# Altium PCB Calipso V3.0 REV0.0.PcbDoc (part 3 of 4)
Units mm, origin at the board's own origin, x right, y up, seen from the top; angles counter-clockwise.
Board outline 192.5 x 156.5 mm, 4 copper layers (Component Side, Ground Plane, Power Plane, Solder Side), stack 0.844 mm thick; 384 components, 292 nets, 1388 pads, 365 vias.
Unrouted connection lines stored in the file: 28.
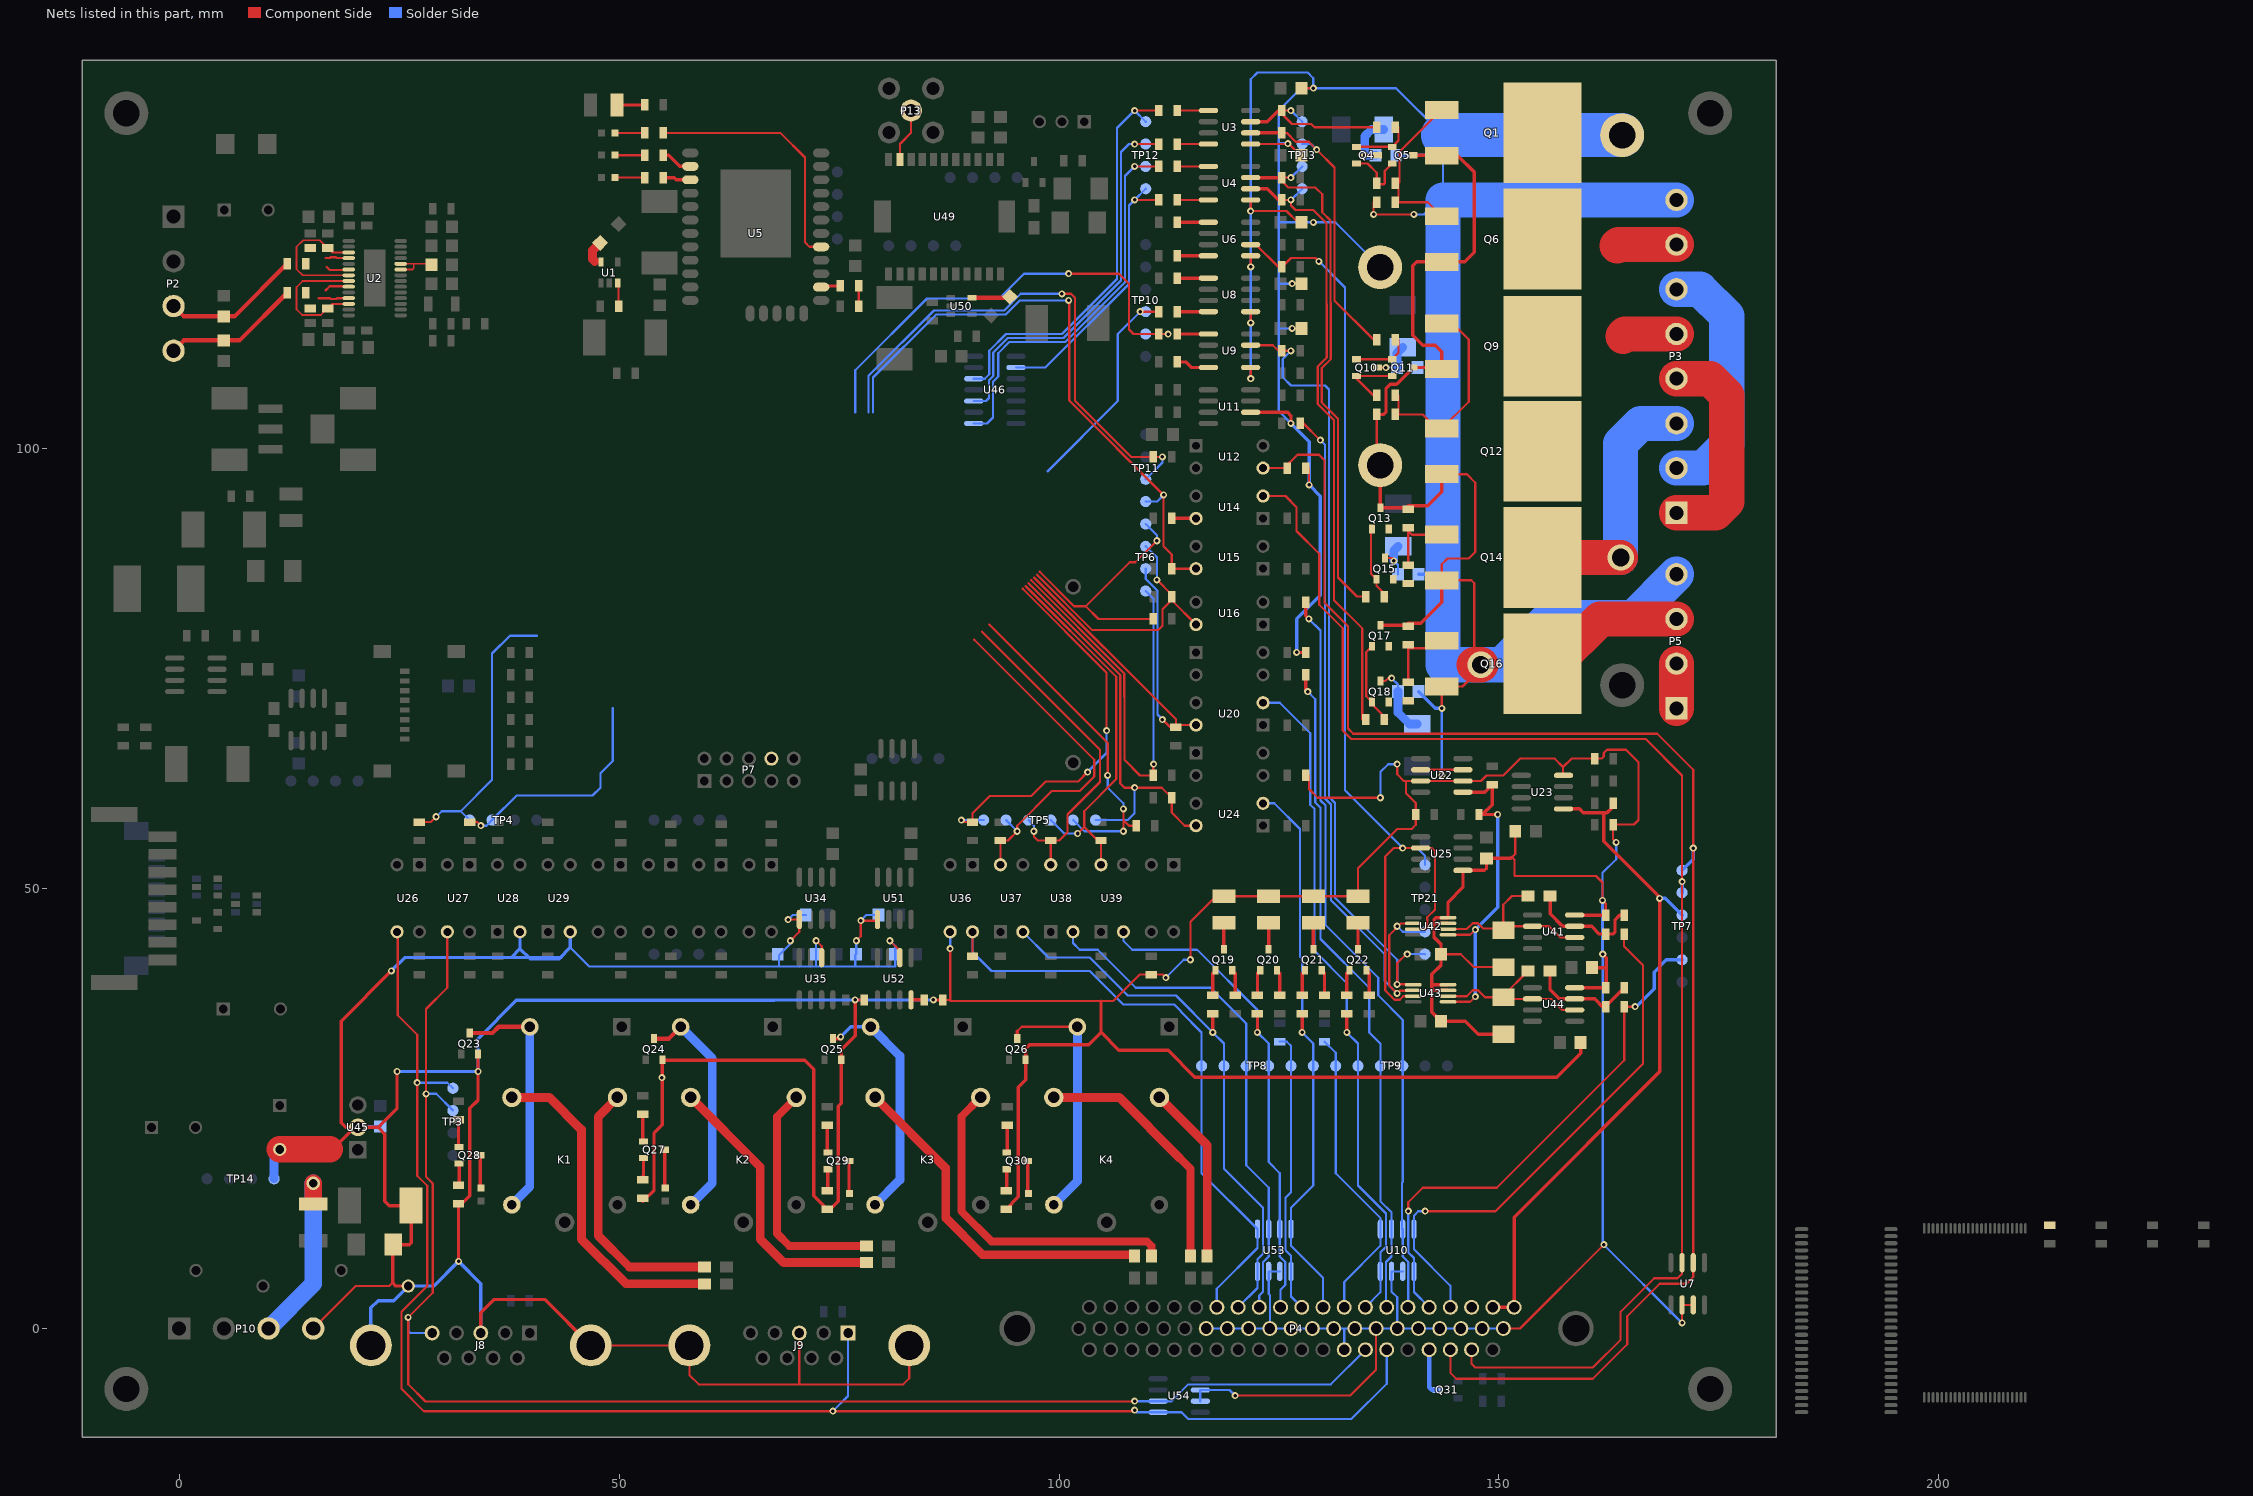
[diagram p5: the nets of this part, all layers, seen from the top]

## Via types
v1: diameter 0.8, hole 0.4, Component Side to Solder Side, tented both sides, 349 vias
v2: diameter 0.8, hole 0.4, Component Side to Solder Side, 12 vias
v3: diameter 1.5, hole 1, Component Side to Solder Side, 2 vias
v4: diameter 3, hole 2, Component Side to Solder Side, 2 vias

## Nets (pads, with @x,y where several pads share a name; then routed paths per layer and width w, separated by ;. In a path a pad name is that pad's centre, name@x,y a point inside that pad or via, vN(x,y) a via of type N, cw(c..) or ccw(c..) an arc to the next point about the centre after c; other vN are vias at no path point) (continued)
IGND: C1.2 C7.2 C8.2 C11.2 C14.2 C29.1 C30.1 C31.1 C32.1 C33.2 C35.2 C36.2 C37.2 C38.2 C40.2 C41.2 C42.1 C43.1 C53.1 C61.1 C62.1 C73.1 C74.1 C75.1 D13.2 D14.2 D20.2 J8.3 J8.10 J8.11 J9.3 J9.10 J9.11 LED3.1 LED4.1 LED5.1 LED6.1 P3.8 P4.28 P4.29 P4.30 P4.31 P4.32 P4.33 P4.34 P4.35 P4.36 P4.37 P4.38 P4.39 P4.40 P4.41 P4.42 P4.55 P5.4 P10.4 pad.H@136.5,98.13 pad.H@136.5,120.63 pad.H@164,135.63 Q1.3 Q5.2 Q6.3 Q9.3 Q11.2 Q12.3 Q13.2 Q14.3 Q16.3 Q17.2 Q23.2 Q24.2 Q25.2 Q26.2 R12.2 R18.1 R36.1 R39.1 R42.1 R50.2 R53.1 R59.2 R76.1 R81.1 R85.1 R101.2 R104.2 R120.1 R121.2 R135.1 R136.1 R137.1 R138.1 RU2.1 TP14.1 U3.5 U4.5 U6.5 U7.6 U7.7 U8.5 U9.5 U10.6 U10.7 U11.2 U22.2 U22.3 U22.6 U22.7 U23.4 U25.5 U28.2 U29.2 U34.5 U35.2 U36.3 U41.4 U42.3 U42.4 U43.3 U43.4 U44.4 U45.2 U51.5 U52.2 U53.6 U53.7 U54.6 U54.7 | length 1384
  Component Side w0.254: P10.4@15.24,0 20.066,4.826 23.876,4.826 24.257,5.207 ; J8.10@46.785,-1.93 J9.11@57.99,-1.93 57.99,-5.285 59.055,-6.35 70.485,-6.35 ; v1(69.215,46.482) 69.228,46.495 U34.5@70.486,46.495 70.486,45.085 v1(69.47,44.069) ; J9.3@70.485,-0.51 70.485,-6.35 ; v1(72.391,44.069) 73.026,43.434 U35.2@73.026,42.151 ; v1(76.962,44.069) 77.47,44.577 v1(77.47,46.355) 79.235,46.355 U51.5@79.375,46.495 ; v1(80.772,44.069) 81.915,42.926 U52.2@81.915,42.151 ; J9.10@82.98,-1.93 82.98,-5.666 82.296,-6.35 70.485,-6.35 ; R12.2@86.775,37.338 87.503,37.338 87.63,37.211 ; v1(87.63,43.18) 87.63,37.211 ; v1(112.141,39.878) 111.794,40.225 R120.1@110.49,40.225 109.186,40.225 106.172,37.211 104.775,37.211 87.63,37.211 ; v1(114.935,41.91) 114.935,46.228 117.832,49.125 LED3.1@118.745,49.125 LED4.1@123.825,49.125 LED5.1@128.905,49.125 LED6.1@133.985,49.125 133.985,52.324 138.43,56.769 140.081,56.769 140.555,57.243 R85.1@140.555,58.42 140.555,59.724 139.446,60.833 139.446,62.23 ; v1(120.015,-7.62) 133.096,-7.62 136.032,-4.684 P4.36@136.032,0 ; U9.5@121.78,109.22 121.78,107.963 v1(121.793,107.95) ; U8.5@121.78,115.57 121.78,114.313 v1(121.793,114.3) ; U6.5@121.78,121.92 121.793,121.907 v1(121.793,120.65) ; U4.5@121.78,128.27 v1(121.78,127) 125.857,127 C8.2@127.127,125.73 ; U3.5@121.78,134.62 126.034,134.62 126.024,134.631 v1(126.024,134.675) 126.089,134.675 127.414,133.35 C7.2@127.54,133.35 ; C1.2@127.54,140.97 v1(128.905,140.97) ; R81.1@128.425,62.865 128.425,61.313 129.413,60.325 v1(136.525,60.325) ; v1(128.425,95.885) R39.1@128.425,97.79 ; R18.1@135.735,128.016 135.735,126.647 v1(135.763,126.619) v1(140.335,126.619) ; R36.1@136.11,103.886 136.11,98.586 136.11,98.205 pad.H@136.525,97.79 ; v1(138.43,64.135) 138.43,62.992 139.192,62.23 139.446,62.23 ; U22.6@141.11,63.5 143.51,63.5 ; C35.2@143.415,42.545 145.669,42.545 147.134,41.08 D13.2@150.495,41.08 ; v1(143.51,70.485) Q16.3@143.51,72.97 145.868,72.97 v4@147.193,74.295 ; Q12.3@143.51,97.1 146.359,97.1 147.32,96.139 147.32,88.265 146.558,87.503 144.145,87.503 143.51,86.868 Q14.3@143.51,85.035 146.867,85.035 147.193,84.709 v4@147.193,75.438 ; U22.3@145.91,63.5 143.51,63.5 ; P4.42@150.51,0 152.4,0 v1(161.925,9.525) ; C32.1@151.86,56.515 151.86,53.943 151.479,53.562 151.765,53.276 151.765,51.435 161.036,51.435 161.77,50.701 v1(161.77,48.669) 162.145,48.294 R104.2@162.145,46.99 ; U23.4@157.29,62.865 157.29,63.818 ; v1@163.35,55.273 v1(163.322,55.245) 162.975,55.592 R101.2@162.975,57.277 165.354,57.277 165.862,57.785 165.862,64.361 164.451,65.772 162.292,65.772 161.925,65.405 161.925,65.024 161.671,64.77 158.242,64.77 157.29,63.818 ; v1(170.815,0.635) U7.6@170.815,2.68 U7.7@172.085,2.68 ; 139.446,62.23 U22.7@141.11,62.23 143.51,62.23 ; 143.51,62.23 v1(143.51,62.865) 143.51,63.5 ; 143.51,62.23 U22.2@145.91,62.23 147.955,62.23 148.59,62.865 150.495,62.865 152.4,64.77 156.338,64.77 157.29,63.818
  Component Side w0.384: 17.145,20.36 17.439,20.36 U45.2@19.939,22.86 ; v1(24.13,40.64) 18.415,34.925 18.415,23.368 18.923,22.86 U45.2@19.939,22.86 ; v1(24.765,29.21) 24.765,25.019 22.606,22.86 ; RU2.1@26.035,4.826 24.638,4.826 24.257,5.207 24.257,9.457 D20.2@24.325,9.525 26.162,9.525 26.36,9.723 C41.2@26.36,13.97 23.876,13.97 23.368,14.478 23.368,22.098 22.606,22.86 ; v1(31.75,7.62) 31.75,13.815 33.02,15.085 33.02,25.019 33.97,25.969 v1(33.97,29.21) Q23.2@33.97,31.185 ; J8.3@34.29,-0.51 34.29,1.778 35.814,3.302 41.553,3.302 J8.10@46.785,-1.93 ; R135.1@52.705,14.45 53.975,15.72 53.975,22.225 54.925,23.175 v1@54.925,28.575 ; v1(54.864,28.514) v1@54.925,28.575 ; R137.1@73.66,13.555 72.136,15.079 72.136,29.464 71.12,30.48 54.995,30.48 Q24.2@54.925,30.55 v1@54.925,28.575 ; R137.1@73.848,13.367 74.93,14.45 74.93,25.273 75.245,25.588 Q25.2@75.245,30.55 75.245,31.684 76.835,33.274 v1(76.835,37.338) R50.2@77.885,37.338 ; v1(85.725,37.338) R12.2@86.775,37.338 ; R138.1@93.98,13.555 95.377,14.952 95.377,27.432 96.2,28.255 Q26.2@96.2,30.55 96.2,31.811 96.647,32.258 103.378,32.258 104.775,33.655 ; 104.775,37.211 104.775,33.655 ; U11.2@121.78,104.14 125.984,104.14 126.365,103.759 v1(126.365,102.87) ; v1(127,76.835) R59.2@128.05,76.835 ; pad.H@135.735,98.961 pad.H@136.11,98.586 ; R36.1@136.11,103.886 136.906,103.886 137.16,104.14 137.16,106.807 137.668,107.315 138.36,107.315 140.265,109.22 143.328,109.22 Q9.3@143.51,109.038 143.51,110.998 142.748,111.76 141.351,111.76 140.208,112.903 140.208,120.777 140.661,121.23 Q6.3@143.51,121.23 146.122,121.23 147.193,122.301 147.193,131.445 145.343,133.295 Q1.3@143.51,133.295 143.455,133.35 140.265,133.35 ; 136.525,79.94 139.475,79.94 139.7,80.165 141.125,80.165 143.51,82.55 Q14.3@143.51,85.035 ; pad.H@136.525,97.79 136.525,93.275 139.475,93.275 139.7,93.5 141.887,93.5 143.51,95.123 Q12.3@143.51,97.1 ; U43.3@144.215,38.425 142.423,38.425 142.367,38.481 ; U43.4@144.215,39.075 142.453,39.075 142.367,38.989 ; U42.3@144.215,46.045 142.692,46.045 142.621,45.974 ; D14.2@150.495,33.46 147.642,33.46 146.177,34.925 C37.2@143.415,34.925 142.367,35.973 142.367,38.481 ; 151.479,53.562 151.352,53.435 C33.2@148.59,53.435 148.59,52.324 148.336,52.07 U25.5@145.91,52.07 145.91,50.152 144.215,48.457 U42.4@144.215,46.695 142.834,46.695 142.621,46.482 142.621,45.974 ; U44.4@158.61,38.735 R121.2@162.145,38.735 ; U41.4@158.61,46.99 R104.2@162.145,46.99 ; C38.2@159.29,33.02 159.29,31.274 156.591,28.575 115.443,28.575 112.395,31.623 106.807,31.623 104.775,33.655 ; C36.2@160.592,41.021 162.179,41.021 ; v1(161.798,42.545) 162.179,42.164 162.179,41.021 ; R121.2@162.179,38.735 162.179,41.021 ; U45.2@19.939,22.86 U45.2@20.32,22.86 22.606,22.86 ; 142.367,38.481 142.367,38.989 ; 142.367,38.989 142.367,40.259 143.415,41.307 C35.2@143.415,42.545 143.415,43.656 142.621,44.45 142.621,45.974
  Component Side w3: C40.2@11.43,20.36 17.145,20.36
  Component Side w4: v4@147.193,75.438 v4(147.955,75.438)
  Solder Side w0.254: 44.451,43.307 46.61,41.148 68.2,41.148 ; v1(69.215,46.482) 69.723,46.99 C29.1@71.215,46.99 ; v1(69.47,44.069) 69.47,43.72 68.168,42.418 68.168,41.18 68.2,41.148 ; v1(72.391,44.069) 72.391,41.148 ; v1(76.962,44.069) 76.962,42.577 76.835,42.45 76.835,41.148 ; v1(77.47,46.355) 78.105,46.99 C73.1@79.47,46.99 ; v1(80.772,44.069) 81.375,43.466 C75.1@81.375,42.545 81.375,41.148 76.835,41.148 ; v1(87.63,43.18) U36.3@87.63,45.085 ; v1(112.141,39.878) 114.173,41.91 v1(114.935,41.91) ; U54.7@116.065,-8.255 U54.6@116.065,-6.985 119.38,-6.985 v1(120.015,-7.62) ; P4.28@116.728,0 P4.29@119.141,0 P4.30@121.554,0 P4.31@123.967,0 ; v1(121.793,107.95) 121.78,107.963 v1(121.78,127) 121.78,141.973 122.555,142.748 128.27,142.748 128.905,142.113 v1(128.905,140.97) ; U53.6@125.095,6.49 U53.7@123.825,6.49 123.825,3.937 123.967,3.795 P4.31@123.967,0 ; v1(126.024,134.675) 126.024,134.741 126.017,134.747 124.968,134.747 ; v1(126.365,102.87) 124.968,104.267 124.968,113.665 ; v1(126.492,113.665) 124.968,113.665 ; v1(126.492,118.745) 124.968,118.745 ; P4.55@132.416,-2.413 132.416,-0.045 132.461,0 ; pad.H@136.5,120.63 131.4,125.73 v1(128.905,125.73) 124.968,125.73 ; v1(136.525,60.325) 136.525,63.246 137.414,64.135 v1(138.43,64.135) ; U10.6@139.065,6.49 U10.7@137.795,6.49 137.795,4.191 138.445,3.541 P4.37@138.445,0 ; v1(140.335,126.619) 141.478,126.619 143.129,128.27 ; v1(143.51,62.865) v1(143.51,70.485) ; 143.637,128.778 143.637,133.35 143.637,135.636 138.303,140.97 v1(128.905,140.97) ; P4.42@150.51,0 P4.41@148.097,0 P4.40@145.684,0 P4.39@143.271,0 P4.38@140.858,0 P4.37@138.445,0 ; v1(161.77,48.669) 161.77,51.788 163.322,53.34 v1(163.322,55.245) ; v1(161.798,42.545) 161.798,9.652 v1(161.925,9.525) v1(170.815,0.635) ; 68.2,41.148 72.391,41.148 ; 72.391,41.148 76.835,41.148 ; P4.31@123.967,0 P4.32@126.38,0 P4.33@128.793,0 P4.34@131.206,0 132.461,0 ; 124.968,113.665 124.968,118.745 ; 124.968,118.745 124.968,125.73 ; 124.968,125.73 124.968,134.747 ; 124.968,134.747 124.968,138.43 127.508,140.97 v1(128.905,140.97) ; 132.461,0 P4.35@133.619,0 P4.36@136.032,0 P4.37@138.445,0
  Solder Side w0.384: U45.2@20.32,22.86 20.415,22.955 C62.1@22.86,22.955 ; J8.11@21.795,-1.93 21.795,2.364 22.606,3.175 24.384,3.175 RU2.1@26.035,4.826 28.956,4.826 v1(31.75,7.62) 34.29,5.08 J8.3@34.29,-0.51 ; v1(24.13,40.64) 25.654,42.164 43.432,42.164 ; v1(24.765,29.21) v1(33.97,29.21) 33.97,32.954 38.324,37.308 67.638,37.308 ; 37.718,42.164 38.735,43.181 ; U28.2@38.735,45.085 38.735,43.181 ; U29.2@44.451,45.085 44.451,43.307 43.181,42.037 39.879,42.037 38.735,43.181 ; 61.924,37.308 61.954,37.338 ; 67.668,37.338 v1(76.835,37.338) v1(85.725,37.338) ; v1(126.365,102.87) 128.425,100.81 v1(128.425,95.885) 129.711,94.599 129.711,83.356 127,80.645 v1(127,76.835) ; C42.1@138.335,133.35 143.637,133.35 ; C43.1@140.748,109.22 143.51,109.22 143.637,109.093 ; C53.1@140.875,72.39 142.78,70.485 v1(143.51,70.485) ; C61.1@140.875,85.725 143.637,85.725 ; v1(161.77,48.669) 161.77,42.573 v1(161.798,42.545)
  Solder Side w1: TP14.1@10.795,17.018 10.795,19.725 C40.2@11.43,20.36
  Solder Side w4: P5.4@170.18,85.725 165.227,80.772 155.702,80.772 150.368,75.438 v4(147.955,75.438) 143.637,75.438 143.637,85.725 143.637,109.093 143.637,128.27 P3.8@170.18,128.27
  Solder Side w5: 143.637,135.636 143.643,135.63 pad.H@164,135.63
IM_CSN: R26.1 TP10.5 | length 52.9
  Component Side w0.254: v1(101.092,119.888) 106.807,119.888 107.95,118.745 107.95,113.538 108.458,113.03 R26.1@110.97,113.03 ; R26.1@111.345,113.03 v1(112.395,113.03)
  Solder Side w0.254: 76.835,104.14 76.835,108.919 84.991,117.075 93.206,117.075 96.019,119.888 v1(101.092,119.888) ; TP10.5@109.855,113.03 v1(112.395,113.03)
IMON_NCS: R29.1 TP21.6 U9.7 U43.5 | length 92.8
  Component Side w0.254: U9.7@121.78,111.76 124.305,111.76 124.94,111.125 v1(126.365,111.125) ; v1(139.579,42.551) 139.452,42.551 138.43,41.529 v1(138.43,39.116) 140.224,39.116 U43.5@140.265,39.075
  Solder Side w0.254: v1(126.365,111.125) 125.422,110.182 125.422,108.131 126.365,107.188 130.23,107.188 130.684,106.734 130.684,60.423 131.372,59.735 131.372,48.968 138.43,41.91 v1(138.43,39.116) ; v1(139.579,42.551) 141.599,42.551 TP21.6@141.605,42.545
LAS_EN: R38.1 TP11.3 | length 58.9
  Component Side w0.254: v1(100.33,117.602) 101.358,117.602 101.819,117.141 101.819,105.452 108.211,99.06 R38.1@110.335,99.06 ; R38.1@110.71,99.06 v1(111.76,99.06)
  Solder Side w0.254: 78.359,104.14 78.359,108.287 85.785,115.713 93.77,115.713 95.659,117.602 v1(100.33,117.602) ; TP11.3@109.855,96.52 111.76,98.425 v1(111.76,99.06)
LAS_FLT: R47.1 TP11.4 U15.4 | length 69.9
  Component Side w0.254: v1(101.092,116.84) 101.161,116.771 101.161,105.468 v1(111.887,94.742) 111.887,88.9 112.81,87.977 R47.1@112.81,86.36 ; R47.1@113.185,86.36 U15.4@115.57,86.36
  Solder Side w0.254: 78.867,104.14 78.867,108.077 86.049,115.259 93.958,115.259 95.539,116.84 v1(101.092,116.84) ; TP11.4@109.855,93.98 111.125,93.98 v1(111.887,94.742)
LAS_LOCK: R43.1 U14.4 | length 2.4
  Component Side w0.384: R43.1@113.185,92.075 U14.4@115.57,92.075
LASER_ENABLE: P4.60 R39.2 TP7.1 U7.2 U12.3 | length 178.5
  Component Side w0.254: U12.3@123.19,97.79 125.575,97.79 127.099,99.314 129.54,99.314 130.175,98.679 130.175,82.487 132.08,80.582 132.842,79.82 132.842,68.2 133.453,67.589 133.47,67.589 167.996,67.589 172.085,63.5 v1(172.085,54.61) U7.2@172.085,7.48 172.085,5.842 171.323,5.08 168.275,5.08 164.592,1.397 164.592,-1.778 160.655,-5.715 145.161,-5.715 144.481,-5.035 P4.60@144.481,-2.413
  Solder Side w0.384: TP7.1@170.815,52.07 172.085,53.34 v1(172.085,54.61)
LASER_IMON: P4.17 R130.1 TP7.5 U10.5 | length 60.1
  Component Side w0.254: v1(139.7,13.335) 139.7,14.351 141.351,16.002 149.767,16.002 164.245,30.48 R130.1@164.245,36.576 v1(165.481,36.576)
  Solder Side w0.254: v1(139.7,13.335) 139.7,8.636 140.335,8.001 U10.5@140.335,6.49 140.335,4.143 P4.17@142.068,2.41
  Solder Side w0.384: v1(165.481,36.576) 165.608,36.576 167.64,38.608 167.64,40.513 169.037,41.91 TP7.5@170.815,41.91
LASER_IPROG: P4.20 P4.21 R84.2 TP7.3 U23.1 | length 78
  Component Side w0.384: P4.20@149.307,2.41 P4.21@151.72,2.41 151.72,12.655 168.275,29.21 v1(168.275,48.895) 168.275,49.022 161.925,55.372 161.925,58.623 ; U23.1@157.29,59.055 U23.1@157.34,59.055 159.156,59.055 159.588,58.623 161.925,58.623 ; R84.2@162.975,59.69 162.975,59.315 162.283,58.623 161.925,58.623
  Solder Side w0.384: v1(168.275,48.895) 168.91,48.895 TP7.3@170.815,46.99
LASER_LOCK: P4.61 TP7.2 U7.3 U14.2 | length 162.5
  Component Side w0.254: U14.2@123.19,94.615 125.73,94.615 127,93.345 127,90.65 129.591,88.059 129.591,82.245 132.258,79.578 132.258,67.958 133.211,67.005 133.228,67.005 166.675,67.005 170.815,62.865 v1(170.815,50.8) U7.3@170.815,7.48 170.815,6.223 170.307,5.715 167.64,5.715 163.83,1.905 163.83,-1.27 160.655,-4.445 147.32,-4.445 146.894,-4.019 P4.61@146.894,-2.413
  Solder Side w0.384: TP7.2@170.815,49.53 v1(170.815,50.8)
LASER_PULSE: P4.59 Q31.3 | length 5.3
  Solder Side w0.5: P4.59@142.068,-2.413 142.068,-6.686 142.367,-6.985 Q31.3@142.945,-6.985
LASER_VMON: P4.18 R105.1 U10.4 | length 60.9
  Component Side w0.254: v1(141.605,13.335) 149.606,13.335 166.37,30.099 166.37,41.275 164.211,43.434 R105.1@164.211,44.831
  Solder Side w0.254: v1(141.605,13.335) 140.843,13.335 140.335,12.827 U10.4@140.335,11.29 140.335,9.017 144.481,4.871 P4.18@144.481,2.41
LD_PULSE: R25.1 TP10.4 | length 24.3
  Component Side w0.254: v1(109.22,115.57) R25.1@110.97,115.57
  Solder Side w0.254: 98.679,97.409 106.68,105.41 106.68,113.03 v1(109.22,115.57)
LDD_VMON: P4.19
LED_GREEN: J8.5 P4.56 TP3.2 U27.3 U54.2 | length 174.1
  Component Side w0.254: U27.3@30.481,45.085 30.481,38.736 28.067,36.322 v1(28.067,26.67) 28.067,17.254 28.829,16.492 28.829,4.064 v1(26.035,1.27) 26.035,-6.35 27.985,-8.3 108.54,-8.3 v1(108.585,-8.255)
  Solder Side w0.254: v1(26.035,1.27) 26.035,-0.254 26.291,-0.51 J8.5@28.75,-0.51 ; v1(28.067,26.67) 29.21,26.67 TP3.2@31.115,24.765 ; v1(108.585,-8.255) U54.2@111.265,-8.255 112.776,-8.255 114.681,-6.35 130.892,-6.35 P4.56@134.829,-2.413
LED_RED: J9.1 P4.57 TP3.1 U26.3 U54.1 | length 187.5
  Component Side w0.254: U26.3@24.765,45.085 24.857,44.993 24.857,35.595 27.051,33.401 v1(27.051,27.94) 27.051,17.372 28.194,16.229 28.194,4.826 25.273,1.905 25.273,-6.858 27.813,-9.398 v1(74.295,-9.398) 108.458,-9.398 v1(108.585,-9.271)
  Solder Side w0.254: v1(27.051,27.94) 30.48,27.94 TP3.1@31.115,27.305 ; v1(74.295,-9.398) 76.025,-7.668 J9.1@76.025,-0.51 ; v1(108.585,-9.271) 108.839,-9.525 U54.1@111.265,-9.525 113.919,-9.525 114.681,-10.287 133.223,-10.287 137.242,-6.268 P4.57@137.242,-2.413
LEDG: R88.1 TP4.2 | length 26.4
  Component Side w0.254: R88.1@33.021,57.565 33.876,57.565 v1(34.291,57.15)
  Solder Side w0.254: v1(34.291,57.15) 34.926,57.15 TP4.2@35.561,57.785 38.355,60.579 46.99,60.579 47.879,61.468 47.879,63.119 49.267,64.507 49.267,70.485
LEDP_RED: R87.1 TP4.1 | length 31.9
  Component Side w0.254: R87.1@27.305,57.565 28.61,57.565 v1(29.211,58.166)
  Solder Side w0.254: v1(29.211,58.166) 29.846,58.801 32.005,58.801 ; TP4.1@33.021,57.785 32.005,58.801 ; 40.64,78.74 37.592,78.74 35.56,76.708 35.56,62.356 32.005,58.801
LMP_DISCH: R75.1 TP6.4 | length 49.8
  Component Side w0.254: 96.845,85.034 107.426,74.452 107.426,71.771 107.442,71.755 107.442,64.627 109.204,62.865 R75.1@110.335,62.865 ; R75.1@110.71,62.865 110.71,64.101 v1(110.744,64.135)
  Solder Side w0.254: TP6.4@109.855,83.82 110.744,82.931 v1(110.744,64.135)
LMP_DISCHARGE: P4.13 R154.2 TP9.1 U10.1 | length 34.5
  Solder Side w0.254: R154.2@130.175,32.605 131.445,31.335 TP9.1@131.445,29.845 131.445,17.653 136.525,12.573 U10.1@136.525,11.29 136.525,9.398 132.416,5.289 P4.13@132.416,2.41
LMP_FAULT: R83.1 TP5.6 U24.4 | length 46.4
  Component Side w0.254: 96.524,84.713 106.972,74.264 106.972,61.938 107.442,61.468 v1(108.585,61.468) 111.667,61.468 R83.1@112.81,60.325 112.81,58.64 114.3,57.15 U24.4@115.57,57.15
  Solder Side w0.254: TP5.6@104.14,57.785 107.823,57.785 108.585,58.547 v1(108.585,61.468)
LMP_FAULT_SIG: P4.12 R126.1 TP8.6 U24.2 U53.4 | length 64.7
  Component Side w0.381: v1(127.635,33.655) R126.1@127.635,35.405
  Solder Side w0.254: U24.2@123.19,59.69 124.46,59.69 127.381,56.769 127.381,42.291 127.635,42.037 v1(127.635,33.655) 128.905,32.385 TP8.6@128.905,29.845 128.905,16.256 126.365,13.716 U53.4@126.365,11.29 126.365,9.398 130.003,5.76 P4.12@130.003,2.41
LMP_HV_INH: R97.1 TP5.1 | length 45.6
  Component Side w0.254: v1(88.9,57.785) 89.12,57.565 R97.1@90.17,57.565 90.17,58.547 92.142,60.519 96.841,60.519 98.498,62.176 102.174,62.176 v1@103.247,63.25 ; 95.881,84.07 105.41,74.542 v1(105.41,67.945)
  Solder Side w0.254: v1(88.9,57.785) TP5.1@91.44,57.785 ; v1(103.251,63.246) 105.41,65.405 v1(105.41,67.945)
LMP_HV_INHIBIT: P4.7 R116.1 TP8.1 U36.4 U53.1 | length 70.3
  Component Side w0.254: R116.1@90.17,42.7 U36.4@90.17,45.085
  Solder Side w0.254: U36.4@90.17,45.085 90.17,42.799 92.329,40.64 103.505,40.64 107.315,36.83 113.102,36.83 113.872,36.06 113.872,35.988 116.205,33.655 TP8.1@116.205,29.845 116.205,17.653 122.555,11.303 U53.1@122.555,11.29 122.555,9.144 117.938,4.527 P4.7@117.938,2.41
LMP_HVON: R72.1 TP6.3 U20.4 | length 45.7
  Component Side w0.254: 97.166,85.355 113.284,69.236 113.284,68.679 113.185,68.58 U20.4@115.57,68.58 ; v1(111.76,69.215) 112.615,68.36 R72.1@113.284,68.36
  Solder Side w0.254: TP6.3@109.855,86.36 109.855,85.18 111.198,83.837 111.198,69.777 v1(111.76,69.215)
LMP_HVON_SIG: P4.14 R128.1 TP9.2 U10.8 U20.2 | length 78.3
  Component Side w0.381: v1(132.715,33.655) R128.1@132.715,35.405
  Solder Side w0.254: U20.2@123.19,71.12 125.095,71.12 128.551,67.664 128.551,59.539 129.032,59.058 129.032,42.926 132.715,39.243 v1(132.715,33.655) 133.985,32.385 TP9.2@133.985,29.845 133.985,16.256 137.16,13.081 137.16,9.271 136.525,8.636 U10.8@136.525,6.49 136.525,4.106 P4.14@134.829,2.41
LMP_OV: R100.1 TP5.4 U39.4 | length 43
  Component Side w0.254: 96.203,84.391 106.518,74.076 106.518,62.449 102.87,58.801 102.87,56.995 ; v1(102.108,56.261) 102.136,56.261 102.87,56.995 ; U39.4@104.775,52.705 104.775,55.09 102.87,56.995
  Solder Side w0.254: TP5.4@99.06,57.785 100.584,56.261 v1(102.108,56.261)
LMP_OVERTEMPERATURE_SIG: P4.8 R122.1 TP8.2 U37.2 U53.8 | length 62.9
  Component Side w0.381: v1(117.475,33.655) R122.1@117.475,35.405
  Solder Side w0.254: U37.2@95.885,45.085 98.806,42.164 103.505,42.164 107.823,37.846 113.284,37.846 v1(117.475,33.655) 118.745,32.385 TP8.2@118.745,29.845 118.745,18.161 123.19,13.716 123.19,8.509 122.555,7.874 U53.8@122.555,6.49 122.555,4.614 P4.8@120.351,2.41
LMP_OVERVOLTAGE_SIG: P4.10 R124.1 TP8.4 U39.2 U53.3 | length 56.6
  Component Side w0.381: v1(122.555,33.655) R124.1@122.555,35.405
  Solder Side w0.254: U39.2@107.315,45.085 107.315,44.069 108.331,43.053 115.697,43.053 122.555,36.195 v1(122.555,33.655) 123.825,32.385 TP8.4@123.825,29.845 123.825,18.923 125.095,17.653 U53.3@125.095,11.29 125.095,8.177 125.722,7.55 125.722,4.945 125.177,4.4 P4.10@125.177,2.41
LMP_OVT: R98.1 TP5.2 U37.4 | length 39.8
  Component Side w0.254: 90.358,78.293 104.013,64.637 104.013,62.738 102.362,61.087 99.187,61.087 95.25,57.15 v1(95.25,56.515) 94.2,55.465 R98.1@93.345,55.465 U37.4@93.345,52.705
  Solder Side w0.254: TP5.2@93.98,57.785 v1(95.25,56.515)
LMP_PULSE: R102.1 TP5.5 | length 37.8
  Component Side w0.254: 92.075,80.01 105.537,66.548 v1(105.537,62.865) ; v1(107.315,56.515) 107.315,57.785 ; v1(107.315,59.055) 107.315,57.785 ; R102.1@108.805,57.15 107.95,57.15 107.315,57.785
  Solder Side w0.254: TP5.5@101.6,57.785 101.612,57.785 102.882,56.515 v1(107.315,56.515) ; v1(105.537,62.865) 105.537,61.468 107.315,59.69 v1(107.315,59.055)
LMP_PULSE_OUT: P4.11 R155.2 TP8.5 U53.5 | length 32.2
  Solder Side w0.254: R155.2@125.095,32.605 125.891,32.605 126.365,32.131 TP8.5@126.365,29.845 126.365,15.494 125.73,14.859 125.73,8.89 126.365,8.255 U53.5@126.365,6.49 126.365,3.635 P4.11@127.59,2.41
LMP_RDY: R99.1 TP5.3 U38.4 | length 39.2
  Component Side w0.254: 91.249,79.184 104.648,65.786 104.648,62.103 100.965,58.42 100.965,56.388 100.042,55.465 R99.1@99.06,55.465 ; v1(97.155,56.515) 97.155,55.88 97.57,55.465 R99.1@99.06,55.465 ; U38.4@99.06,52.705 R99.1@99.06,55.465
  Solder Side w0.254: TP5.3@96.52,57.785 97.155,57.15 v1(97.155,56.515)
LMP_READY: P4.9 TP8.3 U38.2 U53.2 | length 58.5
  Solder Side w0.254: U38.2@101.6,45.085 101.6,43.815 102.362,43.053 104.394,43.053 108.712,38.735 117.221,38.735 121.285,34.671 TP8.3@121.285,29.845 121.285,18.542 123.825,16.002 U53.2@123.825,11.29 123.825,8.177 123.198,7.55 123.198,4.197 122.764,3.763 P4.9@122.764,2.41
LMP_SIMEN: R58.1 TP6.1 | length 28.3
  Component Side w0.254: 97.808,85.997 101.708,82.096 103.039,82.096 ; R58.1@110.335,80.645 104.49,80.645 103.039,82.096 ; v1(111.125,89.535) 108.677,87.087 108.03,87.087 103.039,82.096
  Solder Side w0.254: TP6.1@109.855,91.44 111.125,90.17 v1(111.125,89.535)
LMP_SIMMER_ENABLE: P4.15 R61.2 TP9.3 U10.2 | length 76.3
  Component Side w0.381: R61.2@128.05,74.295 128.05,72.61 v1(128.27,72.39)
  Solder Side w0.254: v1(128.27,72.39) 129.132,71.528 129.132,59.78 129.721,59.19 129.721,44.269 135.255,38.735 135.255,33.655 136.525,32.385 TP9.3@136.525,29.845 136.525,14.478 137.795,13.208 U10.2@137.795,11.29 137.795,8.177 137.168,7.55 137.168,2.41 P4.15@137.242,2.41
LMP_SIMMER_SENSOR: P4.16 R52.2 TP9.4 U10.3 | length 85.2
  Component Side w0.381: R52.2@128.05,82.55 128.05,80.992 v1(128.397,80.645) v1@128.425,80.673
  Solder Side w0.254: v1(128.397,80.645) 129.713,79.329 129.713,60.02 130.302,59.431 130.302,45.847 136.271,39.878 136.271,37.862 139.065,35.068 TP9.4@139.065,29.845 139.065,16.637 138.973,16.545 138.973,11.29 U10.3@139.065,11.29 139.065,8.177 139.692,7.55 139.692,2.41 P4.16@139.655,2.41
LMP_SIMSEN: R54.1 TP6.2 U16.4 | length 31.7
  Component Side w0.254: 97.487,85.676 103.787,79.375 111.252,79.375 111.76,79.883 111.76,81.76 R54.1@112.81,82.81 ; v1(111.125,85.09) 112.81,83.405 R54.1@112.81,83.185 R54.1@112.81,82.81 ; U16.4@115.57,80.01 112.81,82.77 R54.1@112.81,82.81
  Solder Side w0.254: TP6.2@109.855,88.9 111.125,87.63 v1(111.125,85.09)
MCU_TDI: P7.8 R66.2
MON_CLK: R22.1 TP21.2 U6.6 U25.2 U42.7 U43.7 | length 119.8
  Component Side w0.254: U6.6@121.78,123.19 122.4,123.19 124.94,120.65 125.349,120.65 126.365,121.666 129.159,121.666 v1(129.54,121.285) ; U43.7@140.265,37.775 139.133,37.775 138.731,37.373 138.129,37.373 137.087,38.415 137.087,53.648 138.049,54.61 v1(139.065,54.61) U25.2@141.11,54.61 142.367,54.61 142.748,54.229 142.748,47.625 141.859,46.736 141.859,45.593 141.661,45.395 U42.7@140.265,45.395
  Solder Side w0.254: v1(129.54,121.285) 132.5,118.325 132.5,61.175 v1(139.065,54.61) 140.716,54.61 141.605,53.721 TP21.2@141.605,52.705
MON_DOUT: R37.2 TP21.5 U42.6 U43.6 | length 84.9
  Component Side w0.254: R37.2@127.79,102.87 v1(129.695,100.965) ; U43.6@140.265,38.425 140.229,38.389 138.719,38.389 v1(138.43,38.1) 138.418,38.1 137.541,38.977 137.541,44.704 138.882,46.045 U42.6@140.265,46.045
  Solder Side w0.254: v1(129.695,100.965) 130.23,100.43 130.23,60.235 130.918,59.547 130.918,48.66 137.033,42.545 137.033,39.485 138.418,38.1 v1(138.43,38.1) ; v1(138.43,45.72) 139.065,45.085 TP21.5@141.605,45.085
MON_VREF: R77.1 R86.2 U22.1 U42.1 U43.1 | length 37.7
  Component Side w0.254: U43.1@144.215,37.125 146.726,37.125 v1(147.32,37.719) ; U42.1@144.215,44.745 146.726,44.745 v1(147.32,45.339)
  Component Side w0.384: U22.1@145.91,60.96 148.37,60.96 R77.1@149.225,61.815 149.225,59.535 148.11,58.42 v1(149.86,58.42)
  Solder Side w0.384: v1(147.32,37.719) v1(147.32,45.339) 149.86,47.879 v1(149.86,58.42)
NetBOOT1_1: BOOT1.1 R28.1 | length 2.3
  Component Side w0.254: R28.1@77.25,116.205 BOOT1.1@77.25,118.491
NetBOOT1_2: BOOT1.2 U5.2 | length 2.2
  Component Side w0.384: U5.2@72.967,118.364 73.094,118.491 BOOT1.2@75.15,118.491
NetC9_1: C9.1 U2.17 U2.21 | length 15.6
  Component Side w0.2: U2.21@19.275,119.705 14.026,119.705 13.335,120.396 13.335,122.936 14.097,123.698 15.986,123.698 C9.1@16.875,122.809 17.379,122.305 U2.17@19.275,122.305
NetC9_2: C9.2 FB1.1 U2.18 U2.20 | length 5.4
  Component Side w0.254: 16.637,121.666 17.133,121.666 17.225,121.758 17.827,121.758 17.93,121.655 U2.18@19.275,121.655 ; 16.764,120.65 17.11,120.304 19.275,120.304 U2.20@19.275,120.355
NetC15_1: C15.1 FB1.2 P2.3 | length 15.9
  Component Side w0.5: P2.3@-0.635,116.205 0.54,115.03 C15.1@5.08,115.03 6.284,115.03 FB1.2@12.285,121.031
NetC18_1: C18.1 U2.22 U2.26 | length 15.5
  Component Side w0.2: U2.26@19.275,116.455 17.379,116.455 C18.1@16.875,115.951 16.113,115.189 13.97,115.189 13.335,115.824 13.335,118.364 14.026,119.055 U2.22@19.275,119.055
NetC18_2: C18.2 FB2.1 U2.23 U2.25 | length 6.4
  Component Side w0.254: 15.875,117.094 17.133,117.094 17.225,117.002 17.827,117.002 17.93,117.105 U2.25@19.275,117.105 ; 16.637,117.983 17.11,118.456 19.275,118.456 U2.23@19.275,118.405
NetC20_1: C20.1 FB2.2 P2.4 | length 15.7
  Component Side w0.5: P2.4@-0.635,111.125 0.54,112.3 C20.1@5.08,112.3 6.856,112.3 FB2.2@12.285,117.729
NetC42_2: C42.2 L6.2 Q4.3 | length 7.3
  Component Side w0.254: v1(134.747,133.35) Q4.3@136.201,133.35
  Solder Side w1: C42.2@135.985,133.35 v1(134.747,133.35) 134.747,135.509 135.509,136.271 L6.2@136.898,136.271
NetC43_2: C43.2 L7.1 Q10.3 | length 4.8
  Component Side w0.254: Q10.3@136.201,109.22 v1(137.16,109.22)
  Solder Side w0.254: v1(137.16,109.22) C43.2@138.398,109.22
  Solder Side w1: C43.2@138.398,109.22 138.398,110.847 L7.1@139.065,111.514
NetC53_2: C53.2 L8.1 Q18.3 | length 8.3
  Component Side w0.254: Q18.3@136.525,73.59 137.09,73.59 137.414,73.914 v1(137.795,73.914)
  Solder Side w0.254: v1(137.795,73.914) 138.525,73.184 C53.2@138.525,72.39
  Solder Side w1: C53.2@138.525,72.39 138.525,70.009 139.835,68.699 L8.1@140.716,68.699
NetC61_2: C61.2 L9.1 Q15.3 | length 4.8
  Component Side w0.254: Q15.3@137.033,87.56 137.865,87.56 138.049,87.376 v1(138.049,87.249)
  Solder Side w0.254: v1(138.049,87.249) 138.525,86.773 C61.2@138.525,85.725
  Solder Side w1: v1(138.049,87.249) 138.049,88.4 L9.1@138.557,88.908
NetC76_1: C76.1 U2.9 U2.10 | length 5.6
  Component Side w0.2: U2.9@25.175,120.355 26.502,120.355 26.67,120.523 26.67,121.005 ; U2.10@25.175,121.005 26.67,121.005 ; C76.1@28.67,120.904 28.569,121.005 26.67,121.005
NetD13_1: D13.1 J7.0 U41.2 U41.6 U42.2 | length 21.8
  Component Side w0.254: U42.2@144.215,45.395 146.348,45.395 147.019,46.066 147.621,46.066 148.221,45.466 150.309,45.466 D13.1@150.495,45.28 ; J7.0@153.309,49.149 151.491,49.149 150.495,48.153 D13.1@150.495,45.28 ; U41.2@158.61,44.45 156.972,44.45 155.702,45.72 U41.6@153.81,45.72 150.935,45.72 D13.1@150.495,45.28
NetD14_1: D14.1 J6.1 U43.2 U44.2 U44.6 | length 19.8
  Component Side w0.254: U43.2@144.215,37.775 146.348,37.775 147.019,38.446 147.621,38.446 148.407,37.66 D14.1@150.495,37.66 ; J6.1@153.309,40.64 150.495,37.826 D14.1@150.495,37.66 ; U44.2@158.61,36.195 157.226,36.195 155.956,37.465 U44.6@153.81,37.465 150.69,37.465 D14.1@150.495,37.66
NetD15_1: D15.1 K1.2 Q23.3 | length 28.2
  Component Side w0.5: Q23.3@33.02,33.585 35.617,33.585 36.322,34.29 D15.1@39.855,34.29
  Solder Side w1: K1.2@37.815,14.065 39.855,16.105 D15.1@39.855,34.29
NetD16_1: D16.1 K2.2 Q24.3 | length 26.7
  Component Side w0.5: Q24.3@53.975,32.95 55.66,32.95 D16.1@57,34.29 ; D16.1@57.265,34.024 D16.1@57.531,34.29
  Solder Side w1: D16.1@57,34.29 60.579,30.711 60.579,16.509 K2.2@58.135,14.065
NetD17_1: D17.1 K3.2 Q25.3 | length 27.8
  Component Side w0.384: Q25.3@74.295,32.95 75.241,32.95 75.241,33.09 v1(75.184,33.147)
  Solder Side w0.384: v1(75.184,33.147) 76.327,34.29 D17.1@78.59,34.29
  Solder Side w1: D17.1@78.59,34.29 81.915,30.965 81.915,16.89 K3.2@79.09,14.065
NetD18_1: D18.1 K4.2 Q26.3 | length 29.2
  Component Side w0.254: 95.25,33.782 95.758,34.29 D18.1@102.085,34.29
  Component Side w0.384: Q26.3@95.25,32.95 95.25,33.782
  Solder Side w1: K4.2@99.41,14.065 102.085,16.74 D18.1@102.085,34.29
NetF2_2: F2.2 P10.3 | length 20.1
  Component Side w2: 15.24,14.986 v3(15.24,16.51)
  Solder Side w2: P10.3@10.16,0 15.24,5.08 v3(15.24,16.51)
NetJ6_0: J6.0 R121.1 R130.2 U44.3 | length 12.3
  Component Side w0.384: J6.0@155.809,40.64 155.809,38.501 156.845,37.465 U44.3@158.61,37.465 160.881,37.465 161.77,36.576 R130.2@162.145,36.576 162.145,36.635 R121.1@164.245,38.735
NetJ7_1: J7.1 R104.1 R105.2 U41.3 | length 12.7
  Component Side w0.384: J7.1@155.829,49.149 155.829,47.117 157.226,45.72 U41.3@158.61,45.72 160.528,45.72 161.417,44.831 R105.2@161.77,44.831 ; R105.2@162.145,44.831 162.941,44.831 163.195,45.085 163.195,46.482 163.703,46.99 R104.1@164.245,46.99
NetJ10_0: J10.0 K1.3 | length 38
  Component Side w1: K1.3@37.815,26.265 42.061,26.265 45.72,22.606 45.72,10.16 50.8,5.08 J10.0@59.71,5.08
NetJ11_0: J11.0 K1.4 | length 30.2
  Component Side w1: K1.4@49.815,26.265 47.625,24.075 47.625,10.541 51.181,6.985 J11.0@59.71,6.985
NetJ12_0: J12.0 K2.3 | length 32.6
  Component Side w1: K2.3@58.135,26.265 66.04,18.36 66.04,10.16 68.707,7.493 J12.0@78.125,7.493
NetJ13_0: J13.0 K2.4 | length 27.1
  Component Side w0.9: K2.4@70.135,26.265 67.945,24.075 67.945,10.795 69.342,9.398 J13.0@78.125,9.398
NetJ14_0: J14.0 K3.3 | length 40.4
  Component Side w1: K3.3@79.09,26.265 87.122,18.233 87.122,12.573 91.306,8.389 108.585,8.389 J14.0@108.585,8.235
NetJ15_0: J15.0 K3.4 | length 37.6
  Component Side w0.9: K3.4@91.09,26.265 88.9,24.075 88.9,13.335 92.329,9.906 109.982,9.906 110.49,9.398 J15.0@110.49,8.87
NetJ16_0: J16.0 K4.3 | length 28.8
  Component Side w0.9: 113.728,19.367 114.935,18.161 J16.0@114.935,8.235
  Component Side w1: K4.3@99.41,26.265 106.831,26.265 113.728,19.367
NetJ17_0: J17.0 K4.4 | length 20.3
  Component Side w1: K4.4@111.41,26.265 116.84,20.835 J17.0@116.84,8.235
NetL1_2: L1.2 U1.5 | length 2.6
  Component Side w1: 47.244,121.285 46.99,121.539 46.99,122.555 L1.2@47.834,123.399
NetL10_2: L10.2 U50.5 | length 4.4
  Component Side w0.5: U50.5@90.1,117.155 94.295,117.155 L10.2@94.406,117.266
NetLED3_2: LED3.2 Q19.3 | length 3
  Component Side w0.384: Q19.3@118.745,43.11 LED3.2@118.745,46.125
NetLED4_2: LED4.2 Q20.3 | length 3
  Component Side w0.384: Q20.3@123.825,43.11 LED4.2@123.825,46.125
NetLED5_2: LED5.2 Q21.3 | length 3
  Component Side w0.384: Q21.3@128.905,43.11 LED5.2@128.905,46.125
NetLED6_2: LED6.2 Q22.3 | length 3
  Component Side w0.384: Q22.3@133.985,43.11 LED6.2@133.985,46.125
NetLED7_1: LED7.1 Q28.3 | length 3.7
  Component Side w0.384: Q28.3@34.22,19.685 34.22,16.06 LED7.1@34.29,15.99
NetLED8_1: LED8.1 Q27.3 | length 4.4
  Component Side w0.384: Q27.3@55.175,20.32 55.175,16.06 LED8.1@55.245,15.99
NetLED9_1: LED9.1 Q29.3 | length 3.7
  Component Side w0.384: Q29.3@76.13,19.05 76.13,15.425 LED9.1@76.2,15.355
NetLED10_1: LED10.1 Q30.3 | length 3.6
  Component Side w0.384: LED10.1@96.45,15.425 Q30.3@96.45,19.05
NetLINK1_1: LINK1.1 R6.2 | length 3.4
  Component Side w0.254: LINK1.1@49.518,130.81 R6.2@52.925,130.81
NetP3_1: P3.1 P3.4 | length 24.8
  Component Side w4: P3.1@170.18,92.71 174.625,92.71 175.895,93.98 175.895,106.045 173.99,107.95 P3.4@170.18,107.95
NetP3_2: P3.2 P3.6 | length 28.4
  Solder Side w4: P3.2@170.18,97.79 173.228,97.79 175.895,100.457 175.895,115.062 172.847,118.11 P3.6@170.18,118.11
NetP3_3: P3.3 Q14.2 | length 31.3
  Component Side w4: Q14.2@154.94,90.551 154.94,88.9 156.21,87.63 v4(163.83,87.63)
  Solder Side w4: v4(163.83,87.63) 163.83,100.584 166.116,102.87 P3.3@170.18,102.87
NetP3_5: P3.5 Q9.2 Q12.2 | length 6.2
  Component Side w4: 164.084,112.776 164.338,113.03 P3.5@170.18,113.03
NetP3_7: P3.7 Q1.2 Q6.2 | length 6.8
  Component Side w4: 163.449,123.063 163.576,123.19 P3.7@170.18,123.19
NetP5_1: P5.1 P5.2 | length 5.1
  Component Side w4: P5.1@170.18,70.485 P5.2@170.18,75.565
NetP5_3: P5.3 Q16.2 | length 17.3
  Component Side w4: Q16.2@154.94,75.565 156.435,75.565 161.515,80.645 P5.3@170.18,80.645
NetP13_1: P13.1 U49.21 | length 6.1
  Component Side w0.254: U49.21@81.915,132.865 81.915,134.62 83.185,135.89 P13.1@83.185,138.43
NetPWR1_1: PWR1.1 R7.2 | length 3.4
  Component Side w0.254: PWR1.1@49.518,133.35 R7.2@52.925,133.35
NetQ1_1: Q1.1 Q6.1 R15.1 R18.2 | length 18.1
  Component Side w0.254: Q6.1@143.51,126.42 141.914,128.016 138.585,128.016 138.585,130.175 138.692,130.282 138.692,133.739 143.438,138.485 Q1.1@143.51,138.485
NetQ4_1: Q4.1 Q5.1 R4.2 | length 6.6
  Component Side w0.254: Q4.1@133.801,134.3 Q5.1@137.865,134.3 138.585,135.02 R4.2@138.585,136.525
NetQ4_2: Q4.2 Q5.3 R15.2 | length 7.5
  Component Side w0.254: Q4.2@133.801,132.4 135.062,132.4 136.11,131.352 R15.2@136.11,130.175 ; R15.2@136.11,130.048 136.906,130.048 137.033,130.175 137.033,131.568 137.865,132.4
NetQ9_1: Q9.1 Q12.1 R34.1 R36.2 | length 22.9
  Component Side w0.254: R34.1@138.585,106.045 138.585,103.886 141.351,103.886 142.947,102.29 Q12.1@143.51,102.29 146.558,105.338 146.558,112.395 144.725,114.228 Q9.1@143.51,114.228
NetQ10_1: Q10.1 Q11.1 R27.1 | length 6.6
  Component Side w0.254: Q10.1@133.801,110.17 Q11.1@137.865,110.17 138.585,110.89 R27.1@138.585,112.395
NetQ10_2: Q10.2 Q11.3 R34.2 | length 7.1
  Component Side w0.254: R34.2@135.735,106.045 133.801,107.979 Q10.2@133.801,108.27 137.865,108.27
NetQ13_1: Q13.1 Q15.1 R49.1 | length 8.5
  Component Side w0.254: Q13.1@135.448,90.875 135.448,85.795 Q15.1@136.083,85.16 136.083,84.417 R49.1@137.315,83.185
NetQ13_3: Q13.3 Q15.2 R46.2
NetQ14_1: Q14.1 R42.2 R46.1 | length 7.5
  Component Side w0.254: R46.1@139.7,87.15 139.7,90.65 140.125,90.225 Q14.1@143.51,90.225
NetQ16_1: Q16.1 R53.2 R62.1 | length 7.7
  Component Side w0.254: R62.1@139.7,73.815 139.7,77.315 142.665,77.315 Q16.1@143.51,78.16
NetQ17_1: Q17.1 Q18.1 R69.2 | length 9.6
  Component Side w0.254: Q17.1@135.575,77.54 134.919,76.884 134.919,71.846 Q18.1@135.575,71.19 135.575,70.955 R69.2@137.315,69.215
NetQ17_3: Q17.3 Q18.2 R62.2
NetQ19_1: Q19.1 R122.2 | length 2.6
  Component Side w0.384: R122.2@117.475,38.255 117.475,40.39 Q19.1@117.795,40.71
NetQ19_2: Q19.2 R123.1 | length 2.6
  Component Side w0.384: Q19.2@119.695,40.71 120.015,40.39 R123.1@120.015,38.255
NetQ20_1: Q20.1 R124.2 | length 2.6
  Component Side w0.384: R124.2@122.555,38.255 122.555,40.39 Q20.1@122.875,40.71
NetQ20_2: Q20.2 R125.1 | length 2.6
  Component Side w0.384: Q20.2@124.775,40.71 125.095,40.39 R125.1@125.095,38.255
NetQ21_1: Q21.1 R126.2 | length 2.6
  Component Side w0.384: R126.2@127.635,38.255 127.635,40.39 Q21.1@127.955,40.71
NetQ21_2: Q21.2 R127.1 | length 2.6
  Component Side w0.384: Q21.2@129.855,40.71 130.175,40.39 R127.1@130.175,38.255
NetQ22_1: Q22.1 R128.2 | length 2.6
  Component Side w0.384: R128.2@132.715,38.255 132.715,40.39 Q22.1@133.035,40.71
NetQ22_2: Q22.2 R129.1 | length 2.1
  Component Side w0.384: R129.1@135.255,38.255 Q22.2@135.255,40.39
NetQ27_1: Q27.1 R131.1 | length 2.7
  Component Side w0.384: R131.1@52.705,23.975 52.705,21.34 Q27.1@52.775,21.27
NetQ27_2: Q27.2 R135.2 | length 2.1
  Component Side w0.384: R135.2@52.705,17.3 52.775,17.37 Q27.2@52.775,19.37
NetQ28_1: Q28.1 R132.1 | length 2.6
  Component Side w0.384: Q28.1@31.75,20.705 R132.1@31.75,23.34
NetQ28_2: Q28.2 R136.2 | length 2
  Component Side w0.384: 31.82,16.735 Q28.2@31.82,18.735
NetQ29_1: Q29.1 R133.1 | length 2.7
  Component Side w0.384: R133.1@73.66,22.705 73.66,20.07 Q29.1@73.73,20
NetQ29_2: Q29.2 R137.2 | length 2.1
  Component Side w0.384: R137.2@73.66,16.03 73.73,16.1 Q29.2@73.73,18.1
NetQ30_1: Q30.1 R134.1 | length 2.6
  Component Side w0.384: Q30.1@94.107,20.057 R134.1@94.107,22.705
NetQ30_2: Q30.2 R138.2 | length 2.1
  Component Side w0.384: Q30.2@93.98,18.03 Q30.2@94.05,18.1 94.05,16.1
NetR1_1: R1.1 U1.3 | length 2.7
  Component Side w0.254: U1.3@49.845,118.815 49.945,118.715 R1.1@49.945,116.205
NetR2_1: R2.1 TP12.1 U46.12 | length 47.1
  Component Side w0.254: v1(108.585,138.43) R2.1@111.345,138.43
  Solder Side w0.254: U46.12@90.31,107.95 91.567,107.95 92.075,108.458 92.075,111.125 93.98,113.03 100.33,113.03 106.588,119.288 106.588,136.433 v1(108.585,138.43) TP12.1@109.855,137.16
NetR2_2: R2.2 U3.1 | length 3.5
  Component Side w0.254: R2.2@113.445,138.43 U3.1@116.98,138.43
NetR3_2: R3.2 R4.1 TP13.1 U3.7 | length 18.1
  Component Side w0.254: R3.2@124.94,138.43 126.478,136.892 128.675,136.892 129.042,136.525 ; R3.2@125.315,138.43 v1(126.365,138.43) ; 129.032,136.525 129.042,136.525 ; R4.1@135.735,136.525 129.042,136.525
  Component Side w0.384: U3.7@121.78,137.16 123.67,137.16 R3.2@124.94,138.43
  Solder Side w0.254: v1(126.365,138.43) TP13.1@127.635,137.16
NetR5_1: R5.1 R27.2 TP13.2 U3.6 | length 34.5
  Component Side w0.254: R5.1@124.94,135.89 R5.1@125.315,135.89 125.903,135.89 125.903,135.865 126.88,134.888 128.383,134.888 v1(129.286,133.985) 131.318,131.953 131.318,116.812 R27.2@135.735,112.395
  Component Side w0.384: U3.6@121.78,135.89 R5.1@124.94,135.89
  Solder Side w0.254: TP13.2@127.635,134.62 128.651,134.62 v1(129.286,133.985)
NetR6_1: R6.1 U5.15 | length 3.2
  Component Side w0.384: R6.1@55.025,130.81 56.261,130.81 56.515,130.556 U5.15@58.097,130.556
NetR7_1: R7.1 U5.14 | length 3.6
  Component Side w0.384: R7.1@55.025,133.35 55.626,133.35 56.896,132.08 U5.14@58.097,132.08
NetR8_1: R8.1 U5.5 | length 29
  Component Side w0.254: R8.1@55.025,135.89 68.326,135.89 71.12,133.096 71.12,123.444 71.628,122.936 U5.5@72.967,122.936
NetR8_2: R8.2 RUN1.1 | length 3.4
  Component Side w0.254: RUN1.1@49.518,135.89 R8.2@52.925,135.89
NetR9_2: "WIFI PWR 1.2" R9.2 | length 3.2
  Component Side w0.381: 49.76,139.065 R9.2@52.925,139.065
NetR10_1: R10.1 TP12.2 U46.10 | length 45.7
  Component Side w0.254: v1(108.585,134.62) R10.1@111.345,134.62
  Solder Side w0.254: U46.10@90.31,105.41 91.694,105.41 92.048,105.764 92.048,107.789 92.529,108.27 92.529,110.937 94.168,112.576 100.518,112.576 107.042,119.1 107.042,133.712 107.95,134.62 v1(108.585,134.62) TP12.2@109.855,134.62
NetR10_2: R10.2 U3.4 | length 3.5
  Component Side w0.254: R10.2@113.445,134.62 U3.4@116.98,134.62
NetR12_1: R12.1 U52.8 | length 1.5
  Component Side w0.381: U52.8@83.185,37.351 84.662,37.351 R12.1@84.675,37.338
NetR13_1: R13.1 TP12.3 U46.8 | length 45.4
  Component Side w0.254: v1(108.585,132.08) R13.1@111.345,132.08
  Solder Side w0.254: U46.8@90.31,102.87 91.821,102.87 92.502,103.551 92.502,107.601 93.091,108.19 93.091,110.857 94.356,112.122 100.706,112.122 107.496,118.912 107.496,130.991 v1(108.585,132.08) TP12.3@109.855,132.08
NetR13_2: R13.2 U4.1 | length 3.5
  Component Side w0.254: R13.2@113.445,132.08 U4.1@116.98,132.08
NetR14_1: R14.1 R49.2 TP13.3 U4.7 | length 60.6
  Component Side w0.254: R14.1@124.94,130.81 126.083,129.667 129.159,129.667 129.921,128.905 129.921,126.873 130.864,125.93 130.864,116.624 130.883,116.605 130.883,110.175 129.867,109.159 129.867,105.252 131.718,103.401 131.718,85.344 133.877,83.185 R49.2@134.465,83.185 ; R14.1@125.315,130.81 v1(126.365,130.81)
  Component Side w0.384: U4.7@121.78,130.81 R14.1@124.94,130.81
  Solder Side w0.254: v1(126.365,130.81) TP13.3@127.635,132.08
NetR16_1: R16.1 TP12.4 U46.2 | length 31.1
  Component Side w0.254: v1(108.585,128.27) R16.1@111.345,128.27
  Solder Side w0.254: U46.2@95.11,109.22 98.446,109.22 107.95,118.724 107.95,127.635 v1(108.585,128.27) TP12.4@109.855,129.54
NetR16_2: R16.2 U4.4 | length 3.5
  Component Side w0.254: R16.2@113.445,128.27 U4.4@116.98,128.27
NetR17_2: R17.2 R69.1 TP13.4 U4.6 | length 71.3
  Component Side w0.254: R17.2@124.94,128.27 R17.2@125.315,128.27 v1(126.365,128.27) 126.365,127.635 126.873,127.127 128.905,127.127 130.41,125.622 130.41,116.436 130.429,116.417 130.429,110.363 129.413,109.347 129.413,105.064 131.264,103.213 131.264,82.774 134.465,79.573 R69.1@134.465,69.215
  Component Side w0.384: U4.6@121.78,129.54 123.67,129.54 R17.2@124.94,128.27
  Solder Side w0.254: v1(126.365,128.27) TP13.4@127.635,129.54
NetR19_2: R19.2 U6.1 | length 3.5
  Component Side w0.384: R19.2@113.445,125.73 U6.1@116.98,125.73
NetR21_2: R21.2 U6.4 | length 3.5
  Component Side w0.384: R21.2@113.445,121.92 U6.4@116.98,121.92
NetR23_2: R23.2 U8.1 | length 3.5
  Component Side w0.384: R23.2@113.445,119.38 U8.1@116.98,119.38
NetR25_2: R25.2 U8.4 | length 3.5
  Component Side w0.384: R25.2@113.445,115.57 U8.4@116.98,115.57
NetR26_2: R26.2 U9.1 | length 3.5
  Component Side w0.384: R26.2@113.445,113.03 U9.1@116.98,113.03
NetR30_2: R30.2 U9.4 | length 3.8
  Component Side w0.384: R30.2@113.445,109.855 114.427,109.855 115.062,109.22 U9.4@116.98,109.22